# KiCad board fmc_memory_adapter.kicad_pcb (continued)
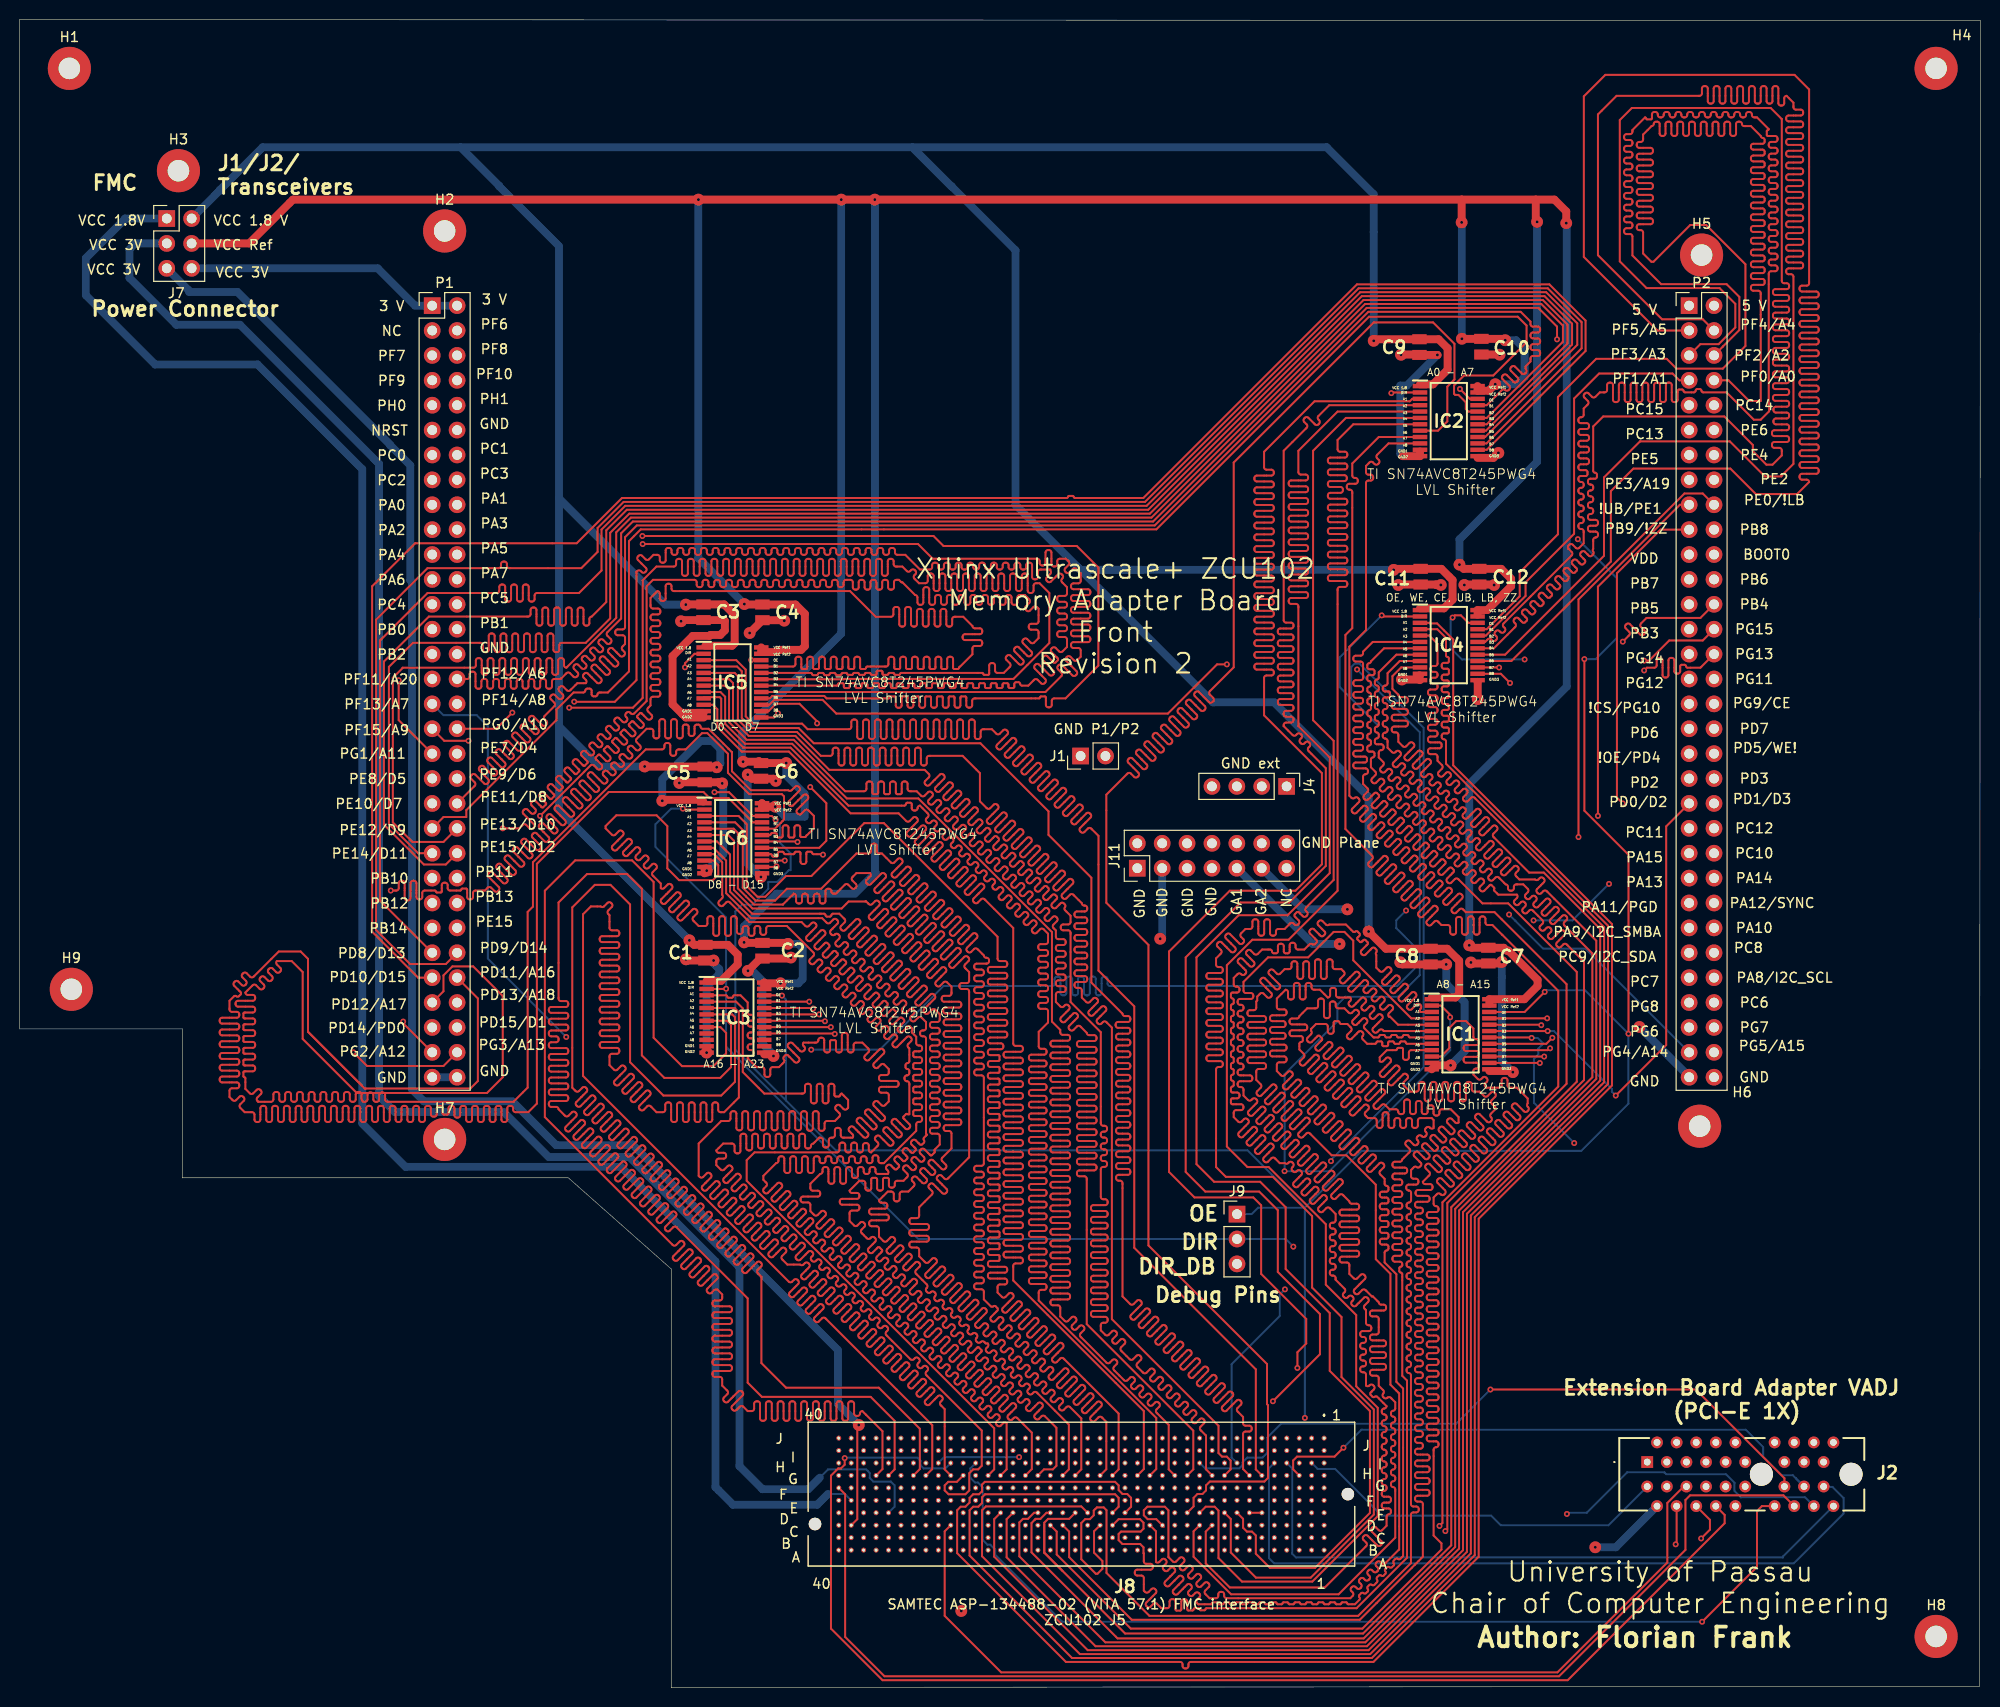
[diagram p0: board, top side]
## Routing (per net, layer and track width the routed paths; a pad name or vN(x,y) marks a point on that pad's centre or on a via; arc(x,y) is an arc through that point) (continued)
Net-(IC6-B2): length 200
  Top w0.2: P1.57 43.26,71.04 43.26,72.67 44.17,73.58 46.29,73.58 49.31,70.56 49.31,62.27 47.7,60.66 34.4,60.66 28.89,66.18 28.89,73 27.77,74.12 26.25,74.12 arc(26.18,73.95) 26.25,73.78 26.62,73.41 arc(26.69,73.24) 26.62,73.07 26.53,72.99 arc(26.36,72.92) 26.19,72.99 25.83,73.36 arc(25.66,73.43) 25.49,73.36 25.4,73.27 arc(25.33,73.1) 25.4,72.93 25.77,72.57 arc(25.84,72.4) 25.77,72.23 25.68,72.14 arc(25.51,72.07) 25.34,72.14 24.98,72.51 arc(24.81,72.58) 24.64,72.51 24.55,72.42 arc(24.48,72.25) 24.55,72.08 24.92,71.72 arc(24.99,71.55) 24.92,71.38 24.84,71.29 arc(24.67,71.22) 24.5,71.29 24.13,71.66 arc(23.96,71.73) 23.79,71.66 23.04,70.91 arc(23.11,70.74) 23.28,70.67 23.8,70.67 arc(23.97,70.6) 24.04,70.43 24.04,70.31 arc(23.97,70.14) 23.8,70.07 22.28,70.07 arc(22.11,70) 22.04,69.83 22.04,69.71 arc(22.11,69.54) 22.28,69.47 23.8,69.47 arc(23.97,69.4) 24.04,69.23 24.04,69.11 arc(23.97,68.94) 23.8,68.87 22.94,68.87 arc(22.87,68.84) 22.84,68.77 22.84,68.37 arc(22.87,68.3) 22.94,68.27 23.8,68.27 arc(23.97,68.2) 24.04,68.03 24.04,67.91 arc(23.97,67.74) 23.8,67.67 22.94,67.67 arc(22.87,67.64) 22.84,67.57 22.84,67.17 arc(22.87,67.1) 22.94,67.07 23.8,67.07 arc(23.97,67) 24.04,66.83 24.04,66.71 arc(23.97,66.54) 23.8,66.47 22.94,66.47 arc(22.87,66.44) 22.84,66.37 22.84,65.97 arc(22.87,65.9) 22.94,65.87 23.8,65.87 arc(23.97,65.8) 24.04,65.63 24.04,65.51 arc(23.97,65.34) 23.8,65.27 22.94,65.27 arc(22.87,65.24) 22.84,65.17 22.84,64.77 arc(22.87,64.7) 22.94,64.67 23.8,64.67 arc(23.97,64.6) 24.04,64.43 24.04,64.31 arc(23.97,64.14) 23.8,64.07 22.94,64.07 arc(22.87,64.04) 22.84,63.97 22.84,63.57 arc(22.87,63.5) 22.94,63.47 23.8,63.47 arc(23.97,63.4) 24.04,63.23 24.04,63.11 arc(23.97,62.94) 23.8,62.87 22.94,62.87 arc(22.87,62.84) 22.84,62.77 22.84,62.37 arc(22.87,62.3) 22.94,62.27 arc(23.01,62.24) 23.04,62.17 23.04,61.08 23.5,60.62 arc(23.67,60.55) 23.84,60.62 24.21,60.99 arc(24.38,61.06) 24.55,60.99 24.63,60.9 arc(24.7,60.73) 24.63,60.56 24.26,60.2 arc(24.19,60.03) 24.26,59.86 24.36,59.76 25.66,59.76 arc(25.83,59.83) 25.9,60 25.9,60.52 arc(25.97,60.69) 26.14,60.76 26.26,60.76 arc(26.43,60.69) 26.5,60.52 26.5,60 arc(26.57,59.83) 26.74,59.76 26.86,59.76 arc(27.03,59.83) 27.1,60 27.1,60.52 arc(27.17,60.69) 27.34,60.76 27.46,60.76 arc(27.63,60.69) 27.7,60.52 27.7,60 arc(27.77,59.83) 27.94,59.76 28.06,59.76 arc(28.23,59.83) 28.3,60 28.3,60.52 arc(28.37,60.69) 28.54,60.76 28.66,60.76 arc(28.83,60.69) 28.9,60.52 28.9,60 arc(28.97,59.83) 29.14,59.76 29.26,59.76 arc(29.43,59.83) 29.5,60 29.5,60.52 arc(29.57,60.69) 29.74,60.76 29.86,60.76 arc(30.03,60.69) 30.1,60.52 30.1,60 arc(30.17,59.83) 30.34,59.76 30.46,59.76 arc(30.63,59.83) 30.7,60 30.7,60.52 arc(30.77,60.69) 30.94,60.76 31.06,60.76 arc(31.23,60.69) 31.3,60.52 31.3,60 arc(31.37,59.83) 31.54,59.76 31.66,59.76 arc(31.83,59.83) 31.9,60 31.9,60.52 arc(31.97,60.69) 32.14,60.76 32.26,60.76 arc(32.43,60.69) 32.5,60.52 32.5,60 arc(32.57,59.83) 32.74,59.76 32.86,59.76 arc(33.03,59.83) 33.1,60 33.1,60.52 arc(33.17,60.69) 33.34,60.76 33.46,60.76 arc(33.63,60.69) 33.7,60.52 33.7,60 arc(33.77,59.83) 33.94,59.76 34.06,59.76 arc(34.23,59.83) 34.3,60 34.3,60.52 arc(34.37,60.69) 34.54,60.76 34.66,60.76 arc(34.83,60.69) 34.9,60.52 34.9,60 arc(34.97,59.83) 35.14,59.76 35.26,59.76 arc(35.43,59.83) 35.5,60 35.5,60.47 arc(35.57,60.64) 35.74,60.71 35.86,60.71 arc(36.03,60.64) 36.1,60.47 36.1,60 arc(36.17,59.83) 36.34,59.76 36.46,59.76 arc(36.63,59.83) 36.7,60 36.7,60.47 arc(36.77,60.64) 36.94,60.71 37.06,60.71 arc(37.23,60.64) 37.3,60.47 37.3,60 arc(37.37,59.83) 37.54,59.76 50.4,59.76 51.85,61.21 51.85,79.14 52.39,79.68 52.39,84.21 63.9,95.72 65.56,95.72 arc(65.73,95.79) 65.8,95.96 65.8,96.13 arc(65.87,96.3) 66.04,96.37 66.16,96.37 arc(66.33,96.3) 66.4,96.13 66.4,95.32 arc(66.47,95.15) 66.64,95.08 66.76,95.08 arc(66.93,95.15) 67,95.32 67,95.48 arc(67.07,95.65) 67.24,95.72 67.99,95.72 69.64,97.38 70.19,97.38 72.29,95.28 72.29,93.33 74.47,91.15 77.79,91.15 78.01,90.93 78.01,88.58 77.86,88.43 77.86,88.4 77.69,88.23 77.68,88.23 77.08,87.63 IC6.20
Net-(IC6-B3): length 199.9
  Top w0.2: v2(37.88,81.32) 38.45,81.32 arc(38.62,81.39) 38.69,81.56 38.69,82.08 arc(38.76,82.25) 38.93,82.32 39.05,82.32 arc(39.22,82.25) 39.29,82.08 39.29,80.56 arc(39.36,80.39) 39.53,80.32 39.65,80.32 arc(39.82,80.39) 39.89,80.56 39.89,82.08 arc(39.96,82.25) 40.13,82.32 40.25,82.32 arc(40.42,82.25) 40.49,82.08 40.49,80.66 arc(40.56,80.49) 40.73,80.42 40.85,80.42 arc(41.02,80.49) 41.09,80.66 41.09,81.08 arc(41.16,81.25) 41.33,81.32 42.38,81.32 arc(42.45,81.29) 42.48,81.22 arc(42.51,81.15) 42.58,81.12 42.98,81.12 arc(43.05,81.15) 43.08,81.22 43.08,81.88 arc(43.15,82.05) 43.32,82.12 43.44,82.12 arc(43.61,82.05) 43.68,81.88 43.68,81.56 arc(43.75,81.39) 43.92,81.32 44.97,81.32 arc(45.04,81.35) 45.07,81.42 arc(45.1,81.49) 45.17,81.52 45.57,81.52 arc(45.64,81.49) 45.67,81.42 45.67,80.66 arc(45.74,80.49) 45.91,80.42 46.03,80.42 arc(46.2,80.49) 46.27,80.66 46.27,81.08 arc(46.34,81.25) 46.51,81.32 47.49,81.32 47.78,81.61 arc(47.95,81.68) 48.12,81.61 48.47,81.26 arc(48.64,81.19) 48.81,81.26 48.9,81.34 arc(48.97,81.51) 48.9,81.68 47.85,82.73 arc(47.78,82.9) 47.85,83.07 47.94,83.15 arc(48.11,83.22) 48.27,83.15 49.32,82.11 arc(49.49,82.04) 49.66,82.11 49.75,82.19 arc(49.82,82.36) 49.75,82.53 48.7,83.58 arc(48.63,83.75) 48.7,83.92 48.78,84 arc(48.95,84.07) 49.12,84 50.17,82.95 arc(50.34,82.88) 50.51,82.95 50.6,83.04 arc(50.67,83.21) 50.6,83.38 49.55,84.43 arc(49.48,84.6) 49.55,84.77 49.63,84.85 arc(49.8,84.92) 49.97,84.85 51.02,83.8 arc(51.19,83.73) 51.36,83.8 51.44,83.89 arc(51.51,84.06) 51.44,84.23 50.4,85.28 arc(50.33,85.45) 50.4,85.62 50.48,85.7 arc(50.65,85.77) 50.82,85.7 51.87,84.65 arc(52.04,84.58) 52.21,84.65 52.29,84.74 arc(52.36,84.91) 52.29,85.08 51.24,86.12 arc(51.17,86.29) 51.24,86.46 51.33,86.55 arc(51.5,86.62) 51.67,86.55 52.72,85.5 arc(52.89,85.43) 53.06,85.5 53.14,85.59 arc(53.21,85.75) 53.14,85.92 52.34,86.73 arc(52.27,86.89) 52.34,87.06 52.43,87.15 arc(52.6,87.22) 52.76,87.15 53.57,86.35 arc(53.74,86.28) 53.91,86.35 53.99,86.43 arc(54.06,86.6) 53.99,86.77 53.05,87.72 arc(52.98,87.88) 53.05,88.05 53.13,88.14 arc(53.3,88.21) 53.47,88.14 54.41,87.2 arc(54.58,87.13) 54.75,87.2 54.84,87.28 arc(54.91,87.45) 54.84,87.62 53.83,88.63 arc(53.76,88.8) 53.83,88.97 53.91,89.06 arc(54.08,89.13) 54.25,89.06 55.26,88.05 arc(55.43,87.98) 55.6,88.05 55.69,88.13 arc(55.76,88.3) 55.69,88.47 54.64,89.52 arc(54.57,89.69) 54.64,89.86 54.72,89.94 arc(54.89,90.01) 55.06,89.94 56.11,88.89 arc(56.28,88.82) 56.45,88.89 56.54,88.98 arc(56.61,89.15) 56.54,89.32 55.49,90.37 arc(55.42,90.54) 55.49,90.71 55.57,90.79 arc(55.74,90.86) 55.91,90.79 56.96,89.74 arc(57.13,89.67) 57.3,89.74 57.38,89.83 arc(57.45,90) 57.38,90.17 56.34,91.22 arc(56.27,91.39) 56.34,91.55 56.42,91.64 arc(56.59,91.71) 56.76,91.64 57.81,90.59 arc(57.98,90.52) 58.15,90.59 58.23,90.68 arc(58.3,90.85) 58.23,91.02 57.18,92.06 arc(57.11,92.23) 57.18,92.4 57.27,92.49 arc(57.44,92.56) 57.61,92.49 58.66,91.44 arc(58.83,91.37) 59,91.44 59.08,91.52 arc(59.15,91.69) 59.08,91.86 58.03,92.91 arc(57.96,93.08) 58.03,93.25 58.12,93.34 arc(58.29,93.41) 58.46,93.34 59.51,92.29 arc(59.68,92.22) 59.84,92.29 59.93,92.37 arc(60,92.54) 59.93,92.71 59.58,93.07 arc(59.5,93.24) 59.58,93.41 59.66,93.49 arc(59.83,93.56) 60,93.49 60.35,93.14 arc(60.52,93.07) 60.69,93.14 60.78,93.22 arc(60.85,93.39) 60.78,93.56 60.42,93.92 arc(60.35,94.09) 60.42,94.26 60.51,94.34 arc(60.68,94.41) 60.85,94.34 61.2,93.99 arc(61.37,93.92) 61.54,93.99 61.63,94.07 arc(61.7,94.24) 61.63,94.41 61.27,94.76 arc(61.2,94.93) 61.27,95.1 61.36,95.19 arc(61.53,95.26) 61.7,95.19 62.05,94.83 arc(62.22,94.76) 62.39,94.83 62.48,94.92 arc(62.55,95.09) 62.48,95.26 62.12,95.61 arc(62.05,95.78) 62.12,95.95 62.21,96.04 arc(62.38,96.11) 62.55,96.04 62.9,95.68 arc(63.07,95.61) 63.24,95.68 63.32,95.77 arc(63.39,95.94) 63.32,96.11 62.97,96.46 arc(62.9,96.63) 62.97,96.8 63.15,96.99 63.99,97.83 64.44,97.83 arc(64.61,97.76) 64.68,97.59 64.68,97.09 arc(64.75,96.92) 64.92,96.85 65.04,96.85 arc(65.21,96.92) 65.28,97.09 65.28,98.57 arc(65.35,98.74) 65.52,98.81 65.64,98.81 arc(65.81,98.74) 65.88,98.57 65.88,97.09 arc(65.95,96.92) 66.12,96.85 66.24,96.85 arc(66.41,96.92) 66.48,97.09 66.48,98.57 arc(66.55,98.74) 66.72,98.81 66.84,98.81 arc(67.01,98.74) 67.08,98.57 67.08,97.09 arc(67.15,96.92) 67.32,96.85 67.44,96.85 arc(67.61,96.92) 67.68,97.09 67.68,98.04 arc(67.74,98.19) 67.89,98.26 68.06,98.26 arc(68.22,98.19) 68.28,98.04 68.28,97.34 arc(68.35,97.17) 68.52,97.1 68.64,97.1 arc(68.81,97.17) 68.88,97.34 68.88,98.04 arc(68.94,98.19) 69.09,98.25 69.28,98.25 arc(69.43,98.19) 69.49,98.04 arc(69.55,97.89) 69.7,97.83 70.31,97.83 72.35,95.79 72.35,95.78 72.7,95.44 72.7,93.49 74.63,91.55 78.44,91.55 arc(78.61,91.48) 78.78,91.55 79.15,91.92 arc(79.32,91.99) 79.49,91.92 79.57,91.84 arc(79.64,91.67) 79.57,91.5 78.5,90.42 arc(78.43,90.25) 78.5,90.08 78.58,90 arc(78.75,89.93) 78.92,90 80,91.07 arc(80.17,91.14) 80.34,91.07 80.42,90.99 arc(80.49,90.82) 80.42,90.65 79.35,89.57 arc(79.28,89.41) 79.35,89.24 79.43,89.15 arc(79.6,89.08) 79.77,89.15 80.14,89.52 arc(80.31,89.59) 80.48,89.52 81.06,88.94 81.06,87.67 80.37,86.98 arc(80.3,86.95) 80.27,86.88 arc(80.24,86.81) 80.17,86.78 79.77,86.78 arc(79.7,86.81) 79.67,86.88 79.67,87.74 arc(79.6,87.91) 79.43,87.98 79.31,87.98 arc(79.14,87.91) 79.07,87.74 79.07,86.85 arc(79.03,86.77) 78.94,86.73 78.59,86.73 arc(78.5,86.77) 78.47,86.85 78.47,87.74 arc(78.4,87.91) 78.23,87.98 78.11,87.98 arc(77.94,87.91) 77.87,87.74 77.87,86.85 arc(77.83,86.77) 77.74,86.73 77.39,86.73 arc(77.3,86.77) 77.27,86.85 77.27,87.08 arc(77.24,87.15) 77.17,87.18 76.77,87.18 arc(76.7,87.15) 76.67,87.08 arc(76.64,87.01) 76.57,86.98 IC6.19
  In2.Cu w0.2: P1.58 44.14,69.38 arc(43.97,69.31) 43.8,69.38 43.64,69.54 arc(43.48,69.61) 43.31,69.54 43.22,69.45 arc(43.15,69.28) 43.22,69.11 43.38,68.96 arc(43.45,68.79) 43.38,68.62 40.42,68.62 40.14,68.89 arc(40.07,69.06) 40.14,69.23 40.51,69.6 arc(40.58,69.77) 40.51,69.94 40.42,70.03 arc(40.25,70.1) 40.08,70.03 39.04,68.99 arc(38.88,68.92) 38.71,68.99 38.62,69.07 arc(38.55,69.24) 38.62,69.41 39.66,70.45 arc(39.73,70.62) 39.66,70.79 39.58,70.87 arc(39.41,70.94) 39.24,70.87 38.2,69.84 arc(38.03,69.76) 37.86,69.84 37.77,69.92 arc(37.7,70.09) 37.77,70.26 38.81,71.3 arc(38.88,71.47) 38.81,71.64 38.73,71.72 arc(38.56,71.79) 38.39,71.72 37.35,70.68 arc(37.18,70.61) 37.01,70.68 36.92,70.77 arc(36.85,70.94) 36.92,71.11 37.96,72.15 arc(38.03,72.32) 37.96,72.49 37.88,72.57 arc(37.71,72.64) 37.54,72.57 36.5,71.53 arc(36.33,71.46) 36.16,71.53 36.08,71.62 arc(36,71.79) 36.08,71.96 37.11,73 arc(37.18,73.17) 37.11,73.34 37.03,73.42 arc(36.86,73.49) 36.69,73.42 35.65,72.38 arc(35.48,72.31) 35.31,72.38 35.23,72.47 arc(35.16,72.64) 35.23,72.81 36.27,73.84 arc(36.34,74.01) 36.27,74.18 36.18,74.27 arc(36.01,74.34) 35.84,74.27 34.8,73.23 arc(34.63,73.16) 34.46,73.23 34.38,73.31 arc(34.31,73.48) 34.38,73.65 35.42,74.69 arc(35.49,74.86) 35.42,75.03 35.33,75.12 arc(35.16,75.19) 34.99,75.12 34.63,74.75 arc(34.46,74.68) 34.29,74.75 34.29,75.98 arc(34.36,76.15) 34.53,76.22 35.05,76.22 arc(35.22,76.29) 35.29,76.46 35.29,76.58 arc(35.22,76.75) 35.05,76.82 34.53,76.82 arc(34.36,76.89) 34.29,77.06 34.29,77.18 arc(34.36,77.35) 34.53,77.42 35.05,77.42 arc(35.22,77.49) 35.29,77.66 35.29,77.78 arc(35.22,77.95) 35.05,78.02 34.53,78.02 arc(34.36,78.09) 34.29,78.26 34.29,78.38 arc(34.36,78.55) 34.53,78.62 35.05,78.62 arc(35.22,78.69) 35.29,78.86 35.29,78.98 arc(35.22,79.15) 35.05,79.22 34.53,79.22 arc(34.36,79.29) 34.29,79.46 34.29,80.05 34.79,80.56 arc(34.96,80.63) 35.13,80.56 35.5,80.19 arc(35.67,80.12) 35.84,80.19 35.92,80.27 arc(35.99,80.44) 35.92,80.61 35.56,80.98 arc(35.49,81.15) 35.56,81.32 v2(37.88,81.32)
Net-(IC6-B4): length 197.9
  Top w0.2: IC6.18 79.34,86.33 v2(79.39,86.28)
  In2.Cu w0.2: v2(79.39,86.28) 80.57,85.09 arc(80.73,85.03) 80.89,85.09 arc(81.05,85.16) 81.21,85.09 81.31,84.99 arc(81.38,84.83) 81.31,84.67 80.62,83.97 arc(80.55,83.8) 80.62,83.63 80.7,83.55 arc(80.87,83.48) 81.04,83.55 81.76,84.27 arc(81.93,84.34) 82.1,84.27 82.19,84.19 arc(82.26,84.02) 82.19,83.85 81.47,83.13 arc(81.4,82.96) 81.47,82.79 81.55,82.7 arc(81.72,82.63) 81.89,82.7 82.26,83.07 arc(82.43,83.14) 82.6,83.07 82.68,82.98 arc(82.75,82.81) 82.68,82.64 82.31,82.28 arc(82.24,82.11) 82.31,81.94 82.4,81.85 arc(82.57,81.78) 82.74,81.85 83.11,82.22 arc(83.28,82.29) 83.45,82.22 83.53,82.14 arc(83.6,81.97) 83.53,81.8 83.16,81.43 arc(83.09,81.26) 83.16,81.09 83.25,81 arc(83.42,80.93) 83.59,81 83.95,81.37 arc(84.12,81.44) 84.29,81.37 84.38,81.29 arc(84.45,81.12) 84.38,80.95 84.01,80.58 arc(83.94,80.41) 84.01,80.24 84.1,80.16 arc(84.27,80.09) 84.44,80.16 84.8,80.52 arc(84.97,80.59) 85.14,80.52 85.23,80.44 arc(85.3,80.27) 85.23,80.1 84.86,79.73 arc(84.79,79.56) 84.86,79.39 84.94,79.31 arc(85.11,79.24) 85.28,79.31 85.65,79.67 arc(85.82,79.74) 85.99,79.67 86.08,79.59 arc(86.15,79.42) 86.08,79.25 85.71,78.88 arc(85.64,78.71) 85.71,78.54 85.79,78.46 arc(85.96,78.39) 86.13,78.46 86.5,78.83 arc(86.67,78.9) 86.84,78.83 86.92,78.74 arc(86.99,78.57) 86.92,78.4 86.56,78.03 arc(86.49,77.86) 86.56,77.69 86.64,77.61 arc(86.81,77.54) 86.98,77.61 87.35,77.98 arc(87.52,78.05) 87.69,77.98 87.77,77.89 arc(87.84,77.72) 87.77,77.55 87.41,77.19 arc(87.33,77.02) 87.41,76.85 87.49,76.76 arc(87.66,76.69) 87.83,76.76 88.2,77.13 arc(88.37,77.2) 88.54,77.13 88.62,77.04 arc(88.69,76.87) 88.62,76.7 88.25,76.34 arc(88.18,76.17) 88.25,76 88.34,75.91 arc(88.51,75.84) 88.68,75.91 89.05,76.28 arc(89.22,76.35) 89.39,76.28 89.47,76.2 arc(89.54,76.03) 89.47,75.86 89.1,75.49 arc(89.03,75.32) 89.1,75.15 89.19,75.06 arc(89.36,74.99) 89.53,75.06 89.89,75.43 arc(90.06,75.5) 90.23,75.43 90.32,75.35 arc(90.39,75.18) 90.32,75.01 89.95,74.64 arc(89.88,74.47) 89.95,74.3 90.04,74.22 arc(90.21,74.15) 90.38,74.22 90.74,74.58 arc(90.91,74.65) 91.08,74.58 91.17,74.5 arc(91.24,74.33) 91.17,74.16 90.8,73.79 arc(90.73,73.62) 90.8,73.45 90.88,73.37 arc(91.05,73.3) 91.22,73.37 91.59,73.73 arc(91.76,73.81) 91.93,73.73 92.02,73.65 arc(92.09,73.48) 92.02,73.31 91.65,72.94 arc(91.58,72.77) 91.65,72.6 91.73,72.52 arc(91.9,72.45) 92.07,72.52 92.44,72.89 arc(92.61,72.96) 92.78,72.89 92.86,72.8 arc(92.93,72.63) 92.86,72.46 92.5,72.09 arc(92.43,71.92) 92.5,71.76 92.58,71.67 arc(92.75,71.6) 92.92,71.67 93.29,72.04 arc(93.46,72.11) 93.63,72.04 94.54,71.13 151.54,71.13 157.09,76.68 157.09,89.38 158.61,90.9 arc(158.68,91.07) 158.61,91.24 158.24,91.61 arc(158.17,91.78) 158.24,91.95 158.33,92.03 arc(158.5,92.11) 158.67,92.03 159.03,91.67 arc(159.2,91.6) 159.37,91.67 159.46,91.75 arc(159.53,91.92) 159.46,92.09 159.09,92.46 arc(159.02,92.63) 159.09,92.8 159.18,92.88 arc(159.35,92.95) 159.52,92.88 159.88,92.52 arc(160.05,92.45) 160.22,92.52 160.31,92.6 arc(160.38,92.77) 160.31,92.94 159.94,93.31 arc(159.87,93.48) 159.94,93.65 160.02,93.73 arc(160.19,93.8) 160.36,93.73 160.73,93.36 arc(160.9,93.29) 161.07,93.36 161.16,93.45 arc(161.23,93.62) 161.16,93.79 160.79,94.16 arc(160.72,94.33) 160.79,94.5 160.87,94.58 arc(161.04,94.65) 161.21,94.58 161.58,94.21 arc(161.75,94.14) 161.92,94.21 162,94.3 arc(162.07,94.47) 162,94.64 161.64,95 arc(161.57,95.17) 161.64,95.34 161.72,95.43 arc(161.89,95.5) 162.06,95.43 162.43,95.06 arc(162.6,94.99) 162.77,95.06 162.85,95.15 arc(162.92,95.32) 162.85,95.49 162.48,95.85 arc(162.41,96.02) 162.48,96.19 162.57,96.28 arc(162.74,96.35) 162.91,96.28 163.28,95.91 arc(163.45,95.84) 163.62,95.91 163.7,95.99 arc(163.77,96.16) 163.7,96.33 163.33,96.7 arc(163.26,96.87) 163.33,97.04 163.42,97.13 arc(163.59,97.2) 163.76,97.13 164.83,96.05 arc(165,95.98) 165.17,96.05 165.26,96.14 arc(165.33,96.31) 165.26,96.48 164.18,97.55 arc(164.11,97.72) 164.18,97.89 164.27,97.97 arc(164.44,98.04) 164.61,97.97 165.68,96.9 arc(165.85,96.83) 166.02,96.9 166.11,96.98 arc(166.18,97.15) 166.11,97.32 165.03,98.4 arc(164.96,98.57) 165.03,98.74 165.12,98.82 arc(165.29,98.89) 165.45,98.82 166.53,97.75 arc(166.7,97.68) 166.87,97.75 166.95,97.83 arc(167.02,98) 166.95,98.17 166.59,98.54 arc(166.52,98.71) 166.59,98.88 166.59,108.37 arc(166.52,108.54) 166.35,108.61 165.85,108.61 arc(165.68,108.68) 165.61,108.85 165.61,108.97 arc(165.68,109.14) 165.85,109.21 167.33,109.21 arc(167.5,109.28) 167.57,109.45 167.57,109.57 arc(167.5,109.74) 167.33,109.81 165.85,109.81 arc(165.68,109.88) 165.61,110.05 165.61,110.17 arc(165.68,110.34) 165.85,110.41 167.33,110.41 arc(167.5,110.48) 167.57,110.65 167.57,110.77 arc(167.5,110.94) 167.33,111.01 165.85,111.01 arc(165.68,111.08) 165.61,111.25 165.61,111.37 arc(165.68,111.54) 165.85,111.61 167.33,111.61 arc(167.5,111.68) 167.57,111.85 167.57,111.97 arc(167.5,112.14) 167.33,112.21 166.83,112.21 arc(166.66,112.28) 166.59,112.45 166.59,119.44 P2.15
Net-(IC6-B5): length 152.8
  Top w0.2: IC6.17 81.61,85.68 82.33,86.4 82.33,90.24 v2(80.69,91.88)
  In2.Cu w0.2: v2(80.69,91.88) 80.44,92.13 80.44,98.48 81.06,99.1 84.73,99.1 88.08,102.45 88.08,109.05 85.25,111.88 73.27,111.88 69.1,107.7 69.1,106.09 arc(69.03,105.92) 68.86,105.85 68.74,105.85 arc(68.58,105.92) 68.5,106.09 68.5,107.59 arc(68.43,107.76) 68.26,107.83 68.14,107.83 arc(67.98,107.76) 67.9,107.59 67.9,106.09 arc(67.83,105.92) 67.66,105.85 67.54,105.85 arc(67.38,105.92) 67.3,106.09 67.3,107.59 arc(67.23,107.76) 67.06,107.83 66.94,107.83 arc(66.78,107.76) 66.7,107.59 66.7,106.09 arc(66.63,105.92) 66.46,105.85 66.34,105.85 arc(66.18,105.92) 66.1,106.09 66.1,107.59 arc(66.03,107.76) 65.86,107.83 65.74,107.83 arc(65.58,107.76) 65.5,107.59 65.5,106.09 arc(65.43,105.92) 65.26,105.85 65.14,105.85 arc(64.98,105.92) 64.9,106.09 64.9,107.59 arc(64.83,107.76) 64.66,107.83 64.54,107.83 arc(64.38,107.76) 64.3,107.59 64.3,106.09 arc(64.23,105.92) 64.06,105.85 63.94,105.85 arc(63.78,105.92) 63.7,106.09 63.7,107.59 arc(63.63,107.76) 63.46,107.83 63.34,107.83 arc(63.18,107.76) 63.1,107.59 63.1,106.09 arc(63.03,105.92) 62.86,105.85 62.74,105.85 arc(62.58,105.92) 62.5,106.09 62.5,107.59 arc(62.43,107.76) 62.26,107.83 62.14,107.83 arc(61.98,107.76) 61.9,107.59 61.9,106.09 arc(61.83,105.92) 61.66,105.85 61.54,105.85 arc(61.38,105.92) 61.3,106.09 61.3,107.59 arc(61.23,107.76) 61.06,107.83 60.94,107.83 arc(60.78,107.76) 60.7,107.59 60.7,106.09 arc(60.63,105.92) 60.46,105.85 60.34,105.85 arc(60.18,105.92) 60.1,106.09 60.1,107.59 arc(60.03,107.76) 59.86,107.83 59.74,107.83 arc(59.58,107.76) 59.5,107.59 59.5,106.09 arc(59.43,105.92) 59.26,105.85 59.14,105.85 arc(58.98,105.92) 58.9,106.09 58.9,107.59 arc(58.83,107.76) 58.66,107.83 58.54,107.83 arc(58.38,107.76) 58.3,107.59 58.3,106.09 arc(58.23,105.92) 58.06,105.85 57.94,105.85 arc(57.78,105.92) 57.7,106.09 57.7,107.59 arc(57.63,107.76) 57.46,107.83 57.34,107.83 arc(57.18,107.76) 57.1,107.59 57.1,106.09 arc(57.03,105.92) 56.86,105.85 56.74,105.85 arc(56.58,105.92) 56.5,106.09 56.5,107.59 arc(56.43,107.76) 56.26,107.83 56.14,107.83 arc(55.98,107.76) 55.9,107.59 55.9,106.09 arc(55.83,105.92) 55.66,105.85 55.54,105.85 arc(55.38,105.92) 55.3,106.09 55.3,107.59 arc(55.23,107.76) 55.06,107.83 54.94,107.83 arc(54.78,107.76) 54.7,107.59 54.7,106.09 arc(54.63,105.92) 54.46,105.85 54.34,105.85 arc(54.18,105.92) 54.1,106.09 54.1,107.59 arc(54.03,107.76) 53.86,107.83 53.74,107.83 arc(53.58,107.76) 53.5,107.59 53.5,107.08 arc(53.43,106.91) 53.26,106.84 41.93,106.84 41.69,106.6 36.01,106.6 34.29,104.88 34.29,101.42 35.34,100.37 37.78,100.37 40.32,102.91 P1.31
Net-(IC6-B6): length 196.9
  Top w0.2: P2.30 171.53,104.06 170.21,104.06 arc(170.11,104.1) 170.06,104.21 arc(170.02,104.32) 169.91,104.36 169.61,104.36 arc(169.51,104.32) 169.46,104.21 169.46,103.7 arc(169.39,103.53) 169.22,103.46 169.1,103.46 arc(168.93,103.53) 168.86,103.7 168.86,104.82 arc(168.79,104.99) 168.62,105.06 168.5,105.06 arc(168.33,104.99) 168.26,104.82 168.26,103.3 arc(168.19,103.13) 168.02,103.06 167.9,103.06 arc(167.73,103.13) 167.66,103.3 167.66,104.82 arc(167.59,104.99) 167.42,105.06 167.3,105.06 arc(167.13,104.99) 167.06,104.82 167.06,104.3 arc(166.99,104.13) 166.82,104.06 166.07,104.06 v2(165.79,103.78) ; v2(81.99,84.98) 81.94,85.03 81.01,85.03 arc(80.92,85.07) 80.89,85.15 arc(80.85,85.24) 80.76,85.28 80.41,85.28 arc(80.32,85.24) 80.29,85.15 80.29,84.27 arc(80.22,84.1) 80.05,84.03 79.93,84.03 arc(79.76,84.1) 79.69,84.27 79.69,85.15 arc(79.65,85.24) 79.56,85.28 79.21,85.28 arc(79.12,85.24) 79.09,85.15 arc(79.05,85.07) 78.96,85.03 78.11,85.03 arc(78.02,85.07) 77.99,85.15 arc(77.95,85.24) 77.86,85.28 77.51,85.28 arc(77.42,85.24) 77.39,85.15 77.39,84.9 arc(77.35,84.82) 77.26,84.78 76.91,84.78 arc(76.82,84.82) 76.79,84.9 arc(76.75,84.99) 76.66,85.03 IC6.16
  In2.Cu w0.2: v2(81.99,84.98) 82.86,84.11 arc(83,84.05) 83.14,84.11 arc(83.28,84.17) 83.42,84.11 83.56,83.97 arc(83.62,83.83) 83.56,83.69 83.17,83.29 arc(83.1,83.12) 83.17,82.95 83.25,82.86 arc(83.42,82.79) 83.59,82.86 83.99,83.26 arc(84.13,83.32) 84.27,83.26 84.41,83.12 arc(84.47,82.98) 84.41,82.84 84.02,82.44 arc(83.95,82.27) 84.02,82.1 84.1,82.02 arc(84.27,81.95) 84.44,82.02 84.84,82.41 arc(84.98,82.47) 85.12,82.41 85.26,82.27 arc(85.32,82.13) 85.26,81.99 84.86,81.59 arc(84.79,81.42) 84.86,81.25 84.95,81.17 arc(85.12,81.1) 85.29,81.17 85.68,81.56 arc(85.83,81.62) 85.97,81.56 86.11,81.42 arc(86.17,81.28) 86.11,81.14 85.71,80.74 arc(85.64,80.57) 85.71,80.4 85.8,80.32 arc(85.97,80.25) 86.14,80.32 86.53,80.72 arc(86.67,80.77) 86.82,80.72 86.96,80.57 arc(87.02,80.43) 86.96,80.29 86.56,79.9 arc(86.49,79.73) 86.56,79.56 86.65,79.47 arc(86.82,79.4) 86.99,79.47 87.38,79.87 arc(87.52,79.93) 87.66,79.87 87.81,79.73 arc(87.86,79.58) 87.81,79.44 87.41,79.05 arc(87.34,78.88) 87.41,78.71 87.49,78.62 arc(87.66,78.55) 87.83,78.62 88.23,79.02 arc(88.37,79.08) 88.51,79.02 88.65,78.88 arc(88.71,78.74) 88.65,78.59 88.26,78.2 arc(88.19,78.03) 88.26,77.86 88.34,77.77 arc(88.51,77.7) 88.68,77.77 89.08,78.17 arc(89.22,78.23) 89.36,78.17 89.5,78.03 arc(89.56,77.89) 89.5,77.75 89.11,77.35 arc(89.04,77.18) 89.11,77.01 89.19,76.93 arc(89.36,76.85) 89.53,76.93 89.93,77.32 arc(90.07,77.38) 90.21,77.32 90.35,77.18 arc(90.41,77.04) 90.35,76.9 89.96,76.5 arc(89.89,76.33) 89.96,76.16 90.04,76.08 arc(90.21,76.01) 90.38,76.08 90.78,76.47 arc(90.92,76.53) 91.06,76.47 91.2,76.33 arc(91.26,76.19) 91.2,76.05 90.8,75.65 arc(90.73,75.48) 90.8,75.31 90.89,75.23 arc(91.06,75.16) 91.23,75.23 91.62,75.62 arc(91.77,75.68) 91.91,75.62 92.05,75.48 arc(92.11,75.34) 92.05,75.2 91.65,74.8 arc(91.58,74.63) 91.65,74.46 91.74,74.38 arc(91.91,74.31) 92.08,74.38 92.47,74.78 arc(92.61,74.83) 92.76,74.78 92.9,74.63 arc(92.96,74.49) 92.9,74.35 92.5,73.96 arc(92.43,73.79) 92.5,73.62 92.59,73.53 arc(92.76,73.46) 92.93,73.53 93.32,73.93 arc(93.46,73.99) 93.6,73.93 93.75,73.79 arc(93.8,73.64) 93.75,73.5 93.35,73.11 arc(93.28,72.94) 93.35,72.77 93.43,72.68 arc(93.6,72.61) 93.77,72.68 94.17,73.08 arc(94.31,73.14) 94.45,73.08 94.59,72.94 arc(94.65,72.8) 94.59,72.65 94.27,72.33 arc(94.2,72.16) 94.27,71.99 94.35,71.9 arc(94.52,71.83) 94.69,71.9 94.71,71.92 arc(94.88,71.99) 95.05,71.92 95.44,71.53 151.37,71.53 156.69,76.85 156.69,79.8 arc(156.62,79.97) 156.45,80.04 156.29,80.04 arc(156.12,80.11) 156.05,80.28 156.05,80.4 arc(156.12,80.57) 156.29,80.64 156.45,80.64 arc(156.62,80.71) 156.69,80.88 156.69,81 arc(156.62,81.17) 156.45,81.24 156.29,81.24 arc(156.12,81.31) 156.05,81.48 156.05,81.6 arc(156.12,81.77) 156.29,81.84 156.45,81.84 arc(156.62,81.91) 156.69,82.08 156.69,82.2 arc(156.62,82.37) 156.45,82.44 156.29,82.44 arc(156.12,82.51) 156.05,82.68 156.05,82.8 arc(156.12,82.97) 156.29,83.04 156.45,83.04 arc(156.62,83.11) 156.69,83.28 156.69,83.4 arc(156.62,83.57) 156.45,83.64 156.29,83.64 arc(156.12,83.71) 156.05,83.88 156.05,84 arc(156.12,84.17) 156.29,84.24 156.45,84.24 arc(156.62,84.31) 156.69,84.48 156.69,84.6 arc(156.62,84.77) 156.45,84.84 156.29,84.84 arc(156.12,84.91) 156.05,85.08 156.05,85.2 arc(156.12,85.37) 156.29,85.44 156.45,85.44 arc(156.62,85.51) 156.69,85.68 156.69,85.8 arc(156.62,85.97) 156.45,86.04 156.29,86.04 arc(156.12,86.11) 156.05,86.28 156.05,86.4 arc(156.12,86.57) 156.29,86.64 156.45,86.64 arc(156.62,86.71) 156.69,86.88 156.69,87 arc(156.62,87.17) 156.45,87.24 156.29,87.24 arc(156.12,87.31) 156.05,87.48 156.05,87.6 arc(156.12,87.77) 156.29,87.84 156.45,87.84 arc(156.62,87.91) 156.69,88.08 156.69,88.2 arc(156.62,88.37) 156.45,88.44 156.29,88.44 arc(156.12,88.51) 156.05,88.68 156.05,88.8 arc(156.12,88.97) 156.29,89.04 156.45,89.04 arc(156.62,89.11) 156.69,89.28 156.69,89.4 arc(156.62,89.57) 156.45,89.64 156.29,89.64 arc(156.12,89.71) 156.05,89.88 156.05,90 arc(156.12,90.17) 156.29,90.24 157.23,90.24 arc(157.4,90.31) 157.47,90.48 157.47,90.6 arc(157.4,90.77) 157.23,90.84 156.29,90.84 arc(156.12,90.91) 156.05,91.08 156.05,91.2 arc(156.12,91.37) 156.29,91.44 157.43,91.44 arc(157.6,91.51) 157.67,91.68 157.67,91.8 arc(157.6,91.97) 157.43,92.04 156.29,92.04 arc(156.12,92.11) 156.05,92.28 156.05,92.4 arc(156.12,92.57) 156.29,92.64 157.43,92.64 arc(157.6,92.71) 157.67,92.88 157.67,93 arc(157.6,93.17) 157.43,93.24 156.93,93.24 arc(156.76,93.31) 156.69,93.48 156.69,93.6 arc(156.76,93.77) 156.93,93.84 157.43,93.84 arc(157.6,93.91) 157.67,94.08 157.67,94.2 arc(157.6,94.37) 157.43,94.44 156.93,94.44 arc(156.76,94.51) 156.69,94.68 157.09,95.09 arc(157.26,95.16) 157.43,95.09 157.8,94.72 arc(157.97,94.65) 158.14,94.72 158.22,94.8 arc(158.3,94.97) 158.22,95.14 157.86,95.51 arc(157.79,95.68) 157.86,95.85 157.94,95.94 arc(158.11,96.01) 158.28,95.94 158.65,95.57 arc(158.82,95.5) 158.99,95.57 159.07,95.65 arc(159.14,95.82) 159.07,95.99 158.43,96.64 arc(158.39,96.74) 158.43,96.85 158.64,97.06 arc(158.75,97.1) 158.85,97.06 159.5,96.42 arc(159.67,96.35) 159.84,96.42 159.92,96.5 arc(159.99,96.67) 159.92,96.84 159.28,97.48 arc(159.23,97.59) 159.28,97.7 159.49,97.91 arc(159.6,97.95) 159.7,97.91 160.35,97.26 arc(160.52,97.19) 160.69,97.26 160.77,97.35 arc(160.84,97.52) 160.77,97.69 160.13,98.33 arc(160.08,98.44) 160.13,98.54 160.34,98.76 arc(160.45,98.8) 160.55,98.76 161.19,98.11 arc(161.36,98.04) 161.53,98.11 161.62,98.2 arc(161.69,98.37) 161.62,98.54 160.98,99.18 arc(160.93,99.29) 160.98,99.39 161.19,99.61 arc(161.29,99.65) 161.4,99.61 162.04,98.96 arc(162.21,98.89) 162.38,98.96 162.47,99.05 arc(162.54,99.22) 162.47,99.39 161.82,100.03 arc(161.78,100.14) 161.82,100.24 162.04,100.45 arc(162.14,100.5) 162.25,100.45 162.89,99.81 arc(163.06,99.74) 163.23,99.81 163.32,99.9 arc(163.39,100.07) 163.32,100.23 162.67,100.88 arc(162.63,100.98) 162.67,101.09 162.88,101.3 arc(162.99,101.35) 163.1,101.3 163.74,100.66 arc(163.91,100.59) 164.08,100.66 164.16,100.74 arc(164.23,100.91) 164.16,101.08 163.52,101.73 arc(163.48,101.83) 163.52,101.94 163.73,102.15 arc(163.84,102.19) 163.95,102.15 164.59,101.51 arc(164.76,101.44) 164.93,101.51 165.01,101.59 arc(165.08,101.76) 165.01,101.93 164.37,102.58 arc(164.33,102.68) 164.37,102.79 164.58,103 arc(164.69,103.04) 164.79,103 165.44,102.36 arc(165.61,102.29) 165.78,102.36 165.86,102.44 arc(165.93,102.61) 165.86,102.78 165.49,103.15 arc(165.42,103.32) 165.49,103.49 v2(165.79,103.78)